# Allegro board CHIP_ALPHA_V_021.brd
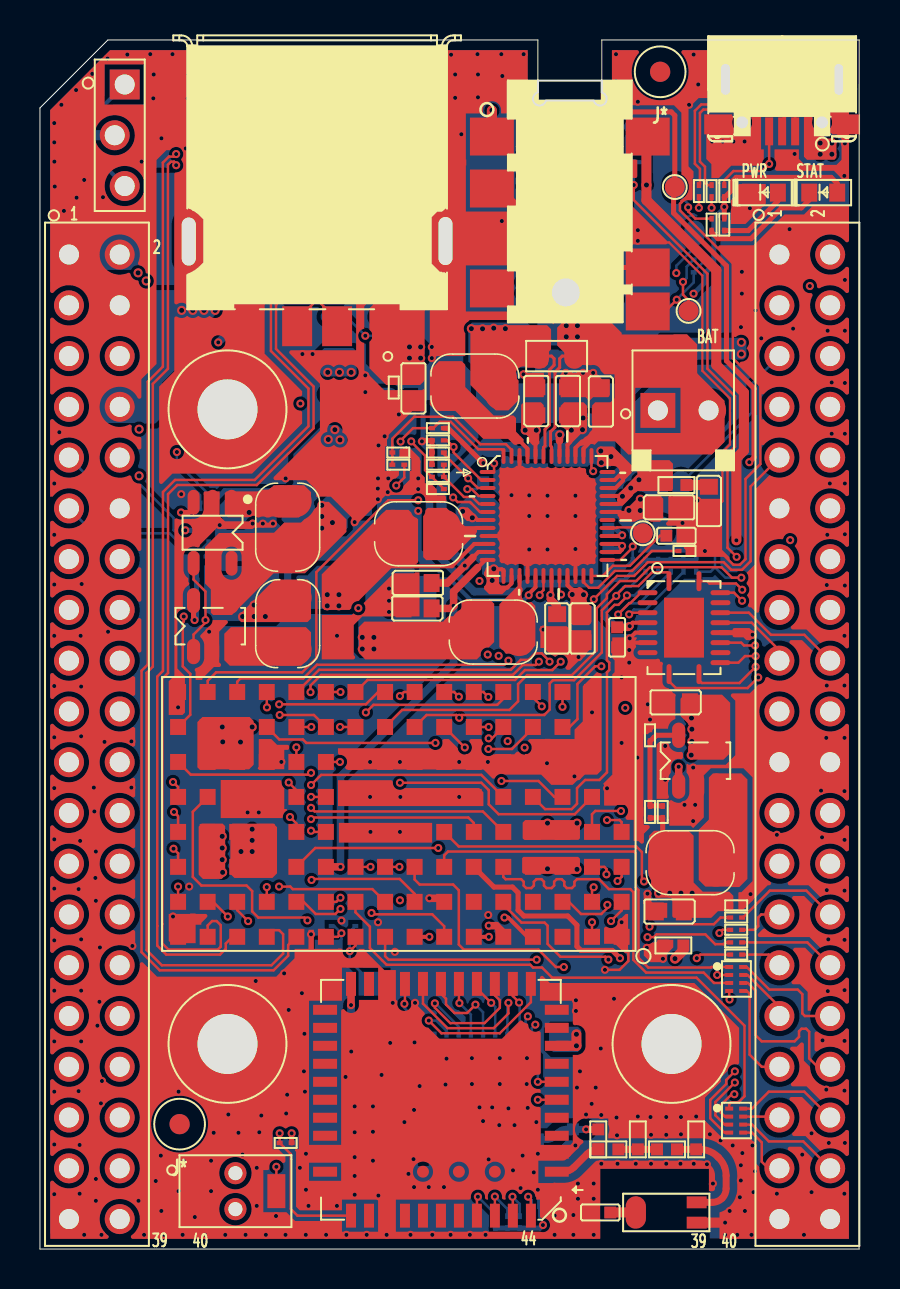
[diagram p0: board, top side]
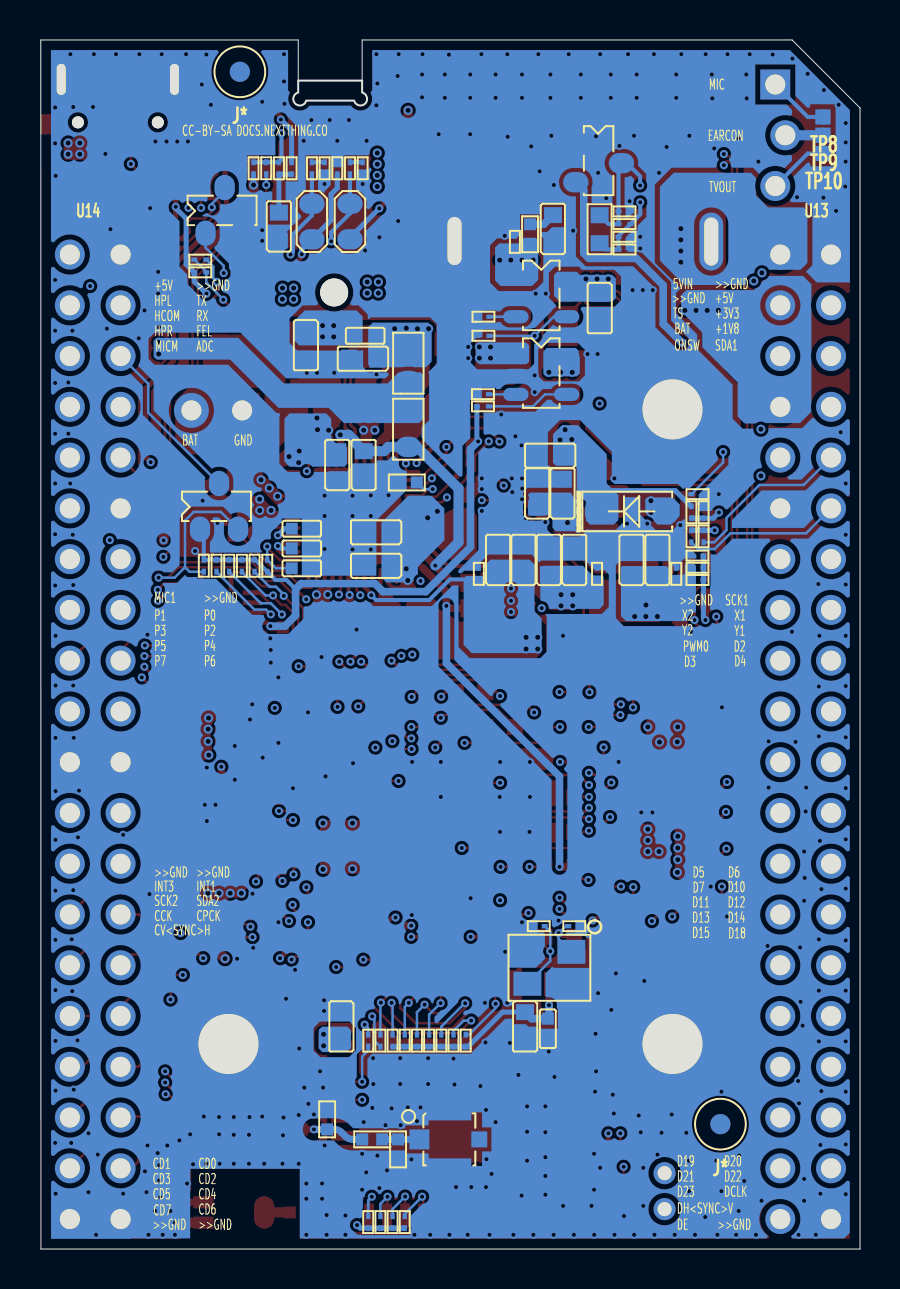
[diagram p1: board, bottom side, seen from below]

Outline 41.01 x 60.5 mm; copper layers: TOP, GND, IN1, IN2, VCC, BOTTOM. Coordinates in mm from the lower left corner of the outline.
Outline path: 0,57.09 3.4,60.5 24.92,60.5 24.92,58.46 28.12,58.46 28.12,60.5 41.01,60.5 41,0 0,0 0,57.09

## Design rules (mm)
net group CSI-D0: nets CSI-D0 CSID0
net group CSI-D1: nets CSI-D1 CSID1
net group CSI-D2: nets CSI-D2 CSID2
net group CSI-D3: nets CSI-D3 CSID3
net group CSI-D4: nets CSI-D4 CSID4
net group CSI-D5: nets CSI-D5 CSID5
net group CSI-D6: nets CSI-D6 CSID6
net group CSI-D7: nets CSI-D7 CSID7
net group CSI-HSYNC: nets CSI-HSYNC CSIHSYNC
net group CSI-MCLK: nets CSI-MCLK CSICK
net group CSI-PCLK: nets CSI-PCLK CSIPCK
net group CSI-VSYNC: nets CSI-VSYNC CSIVSYNC
net group DM0: nets DM0 N21782572
net group DP0: nets DP0 N21782578

## Placement (name value [footprint] x y rotation side)
ANT1  ANT  [WIFI-1206]  31.35 1.83 180 top
ANT2  NC-ANT  [WIFI-ANT-SD73412-011H1_3A]  20.56 5.49 270 bottom
C1  18pF-1%  [C0201]  14.3 16.15 0 bottom
C2  10uF  [CC0603]  16.84 34.47 90 bottom
C3  10uF  [CC0603]  10.14 34.47 90 bottom
C4  10uF  [CC0603]  14.3 34.47 90 bottom
C5  18pF-1%  [C0201]  16.08 16.15 180 bottom
C9  1uF  [CC0402]  24.77 45.69 0 bottom
C10  4.7uF  [CC0603]  24.85 42.42 90 top
C11  4.7uF  [CC0603]  24.87 44.55 0 bottom
C12  4.7uF  [CC0603]  27.74 45.24 270 bottom
C13  10uF  [CC0603]  26.17 39.22 90 bottom
C14  10uF  [CC0603]  15.57 34.47 90 bottom
C15  102  [C0201]  13.16 33.78 90 bottom
C16  10uF  [CC0603]  24.21 35.86 0 bottom
C17  10uF  [CC0603]  33.48 37.44 270 top
C18  10uF  [CC0603]  31.48 37.11 0 top
C19  10uF  [CC0603]  18.11 34.47 90 bottom
C20  102  [C0201]  19.08 33.78 90 bottom
C21  10uF  [CC0603]  24.21 34.19 0 bottom
C22  1uF  [CC0402]  27.94 36.04 0 bottom
C24  1uF  [CC0402]  27.94 35.05 180 bottom
C25  4.7uF  [CC0603]  18.9 32.05 180 top
C26  1uF  [CC0402]  31.86 35.69 180 top
C27  4.7uF  [CC0603]  28.07 42.42 270 top
C28  4.7uF  [CC0603]  24.85 39.22 90 bottom
C29  4.7uF  [CC0603]  27.16 31.06 270 top
C32  10uF  [CC0603]  26.43 42.42 90 top
C35  104  [C0201]  17.94 39.85 180 top
C37  1uF  [CC0402]  27.94 34.06 0 bottom
C45  10uF  [CC0603]  25.96 11.15 270 bottom
C47  NC  [R0402]  29.93 5.49 90 top
C48  NC  [R0402]  32.85 5.49 90 top
C49  1uF  [CC0402]  15.63 11.02 90 bottom
C50  4.7uF  [CC0603]  16.77 11.15 270 bottom
C51  8P  [C0402]  28.05 1.83 180 top
C52  NC  [R0402]  26.67 6.49 90 bottom
C53  22pF  [C0201]  11.79 51.28 0 bottom
C54  104  [C0201]  29.72 54.08 90 bottom
C55  271  [C0201]  11.79 50.01 0 bottom
C56  331  [C0201]  11.79 51.92 0 bottom
C57  10uF  [CC0603]  13.03 47.09 270 bottom
C58  104  [C0201]  17.28 50.39 270 bottom
C59  4.7uF  [CC0603]  15.37 51.03 90 bottom
C60  NC  [R0402]  23.12 4.99 270 bottom
C64  104  [C0201]  17.71 43.1 90 top
C65  4.7uF  [CC0603]  18.7 43.05 90 top
C66  4.7uF  [CC0603]  18.9 33.32 0 top
C67  47pF  [C0201]  8.14 33.48 180 bottom
C68  4.7uF  [CC0603]  14.89 37.8 90 bottom
C69  104  [C0201]  9.2 33.78 90 bottom
C70  4.7uF  [CC0603]  11.43 34.47 90 bottom
C71  4.7uF  [CC0603]  31.83 27.36 180 top
C72  104  [C0201]  34.85 17.2 0 top
C73  47pF  [C0201]  31.17 21.87 90 top
C74  4.7uF  [CC0603]  31.53 16.89 180 top
C75  10uF  [CC0603]  16.16 37.8 90 bottom
C76  4.7uF  [CC0603]  25.89 31.06 270 top
C77  10uF  [CC0603]  15.5 39.7 0 bottom
C78  22uF  [CC0805]  25.53 51.41 270 bottom
C79  22uF  [CC0805]  27.44 51.41 270 bottom
C145  1uF  [CC0402]  28.89 30.61 90 top
C148  104  [C0201]  26.8 54.08 270 bottom
C151  104  [C0201]  24.9 54.08 270 bottom
C152  104  [C0201]  19.92 38.02 0 top
C188  4.7u/6.3V  [CC0603]  29.09 51.16 90 bottom
C294  100pF  [C0201]  30.36 54.08 270 bottom
D1  PWR  [D0603]  36.23 52.86 180 top
D2  STAT  [D0603]  39.21 52.86 180 top
D16  1N5819  [SOD123H14A]  11.43 36.91 0 bottom
D18  BAT54S  [SOT-23]  13.09 54.33 180 bottom
J1  BATTARY  [CON2-PT2_54H7_1A]  32.2 41.96 0 top
J2  TVOUT&MIC  [CON3-PT2_54-2_5X7_57H16_3A-3805]  3.99 55.73 270 top
J4  USB-MINI-SOCKET  [USB-MIC-A01SB141BH2_4A]  37.15 60.67 0 top
J5  USB-MINI-SOCKET  [USB_AF-011Z_45H5_2A]  13.87 60.17 0 top
J11  HXQKPJ-342H  [PJ-033SMTH4A]  26.52 58.46 270 top
J*  -  [unnamed#2]  6.99 6.25 0 top
J*#2  -  [unnamed#2]  31.04 58.9 0 top
J*#3  -  [unnamed#2]  31.04 58.9 180 bottom
J*#4  -  [unnamed#2]  6.99 6.25 180 bottom
L2  2.2uH-DCR<0.1R-1.5A/ELL4LG2R2NA  [L3518]  21.77 43.18 180 top
L3  2.2uH-DCR<0.1R-1.5A/ELL4LG2R2NA  [L3518]  18.95 35.79 0 top
L4  2.2uH-DCR<0.1R-1.5A/ELL4LG2R2NA  [L3518]  22.69 30.87 0 top
L5  2.2uH-DCR<0.1R-1.5A/ELL4LG2R2NA  [L3518]  12.4 31.29 270 top
L6  2.2uH-DCR<0.1R-1.5A/ELL4LG2R2NA  [L3518]  32.54 19.33 0 top
L8  2.2uH-DCR<0.1R-1.5A/ELL4LG2R2NA  [L3518]  12.4 36.12 90 top
L9  1.8uH  [L0603]  13.03 51.03 90 bottom
NOREF  -  []  0.87 0 0 top
NOREF#2  -  []  0.23 0.63 90 top
OR4  6K8-1%  [C0201]  18.88 42.77 180 bottom
Q4  MMBT3904  [SOT-23]  31.81 51.97 90 bottom
Q11  BSN20  [SOT-23]  32.08 37.16 90 bottom
R1  2K2  [C0201]  30.94 34.19 270 bottom
R2  2K2  [C0201]  7.83 35.66 270 bottom
R3  2K2  [C0201]  8.44 35.66 270 bottom
R4  2K2  [C0201]  19.92 40.46 0 top
R6  2K2  [C0201]  31.58 34.19 270 bottom
R7  0R03  [R0805]  25.86 44.68 180 top
R8  20K  [C0201]  34.25 51.26 90 top
R9  1R  [R0402]  31.86 38.23 180 top
R10  10K  [C0201]  19.92 39.24 180 top
R11  10K  [C0201]  19.92 39.85 180 top
R12  0R  [C0201]  8.14 37.77 0 bottom
R13  200K-1%  [C0201]  32.26 34.92 180 top
R14  100K-1%  [C0201]  30.54 25.7 270 top
R15  150K-1%  [C0201]  30.54 21.87 270 top
R16  47K  [C0201]  19.92 41.07 0 top
R17  47K  [C0201]  29.67 34.19 270 bottom
R18  2K2  [C0201]  32.21 34.19 270 bottom
R19  0R  [R0402]  31.7 15.19 180 top
R20  2K  [R0402]  22.69 38.35 0 bottom
R39  0R  [C0201]  34.85 15.34 0 top
R40  0R  [C0201]  34.85 14.73 0 top
R41  0R  [C0201]  34.85 15.97 0 top
R43  0R  [C0201]  34.85 16.59 180 top
R45  0R  [R0402]  31.39 4.99 180 top
R46  0R  [R0402]  28.45 4.99 180 top
R47  NC-0R  [R0402]  27.94 5.49 270 top
R48  33K  [C0201]  19.74 10.43 90 bottom
R49  33K  [C0201]  23.4 10.43 90 bottom
R50  NC  [C0201]  22.18 10.43 90 bottom
R51  33K  [C0201]  21.57 10.43 90 bottom
R52  33K  [C0201]  22.79 10.43 90 bottom
R53  33K  [C0201]  20.96 10.43 90 bottom
R54  200K-1%  [C0201]  8.44 36.87 90 bottom
R55  10K  [C0201]  23.4 1.35 90 bottom
R56  10K  [C0201]  24.01 1.35 90 bottom
R57  27K-1%  [C0201]  7.83 36.87 270 bottom
R58  NC-10K  [C0201]  22.79 1.35 90 bottom
R59  NC-10K  [C0201]  24.62 1.35 90 bottom
R60  75R  [C0201]  11.79 50.65 180 bottom
R61  NC-0R  [R0402]  24.42 5.49 180 bottom
R62  NC/0R  [C0201]  24.01 10.43 270 bottom
R63  NC/0R  [C0201]  24.62 10.43 90 bottom
R65  100K  [C0201]  12.3 5.31 0 top
R66  100K  [C0201]  20.35 10.43 270 bottom
R70  10K  [C0201]  34.25 52.93 270 top
R74  510K  [C0201]  18.85 45.69 180 bottom
R75  6K8-1%  [C0201]  18.85 46.65 180 bottom
R78  100K-1%  [C0201]  8.14 34.7 180 bottom
R79  442K-1%  [C0201]  8.14 34.09 0 bottom
R80  NC/0R  [R0805]  22.61 44.32 90 bottom
R81  0R  [R0805]  22.61 41.02 270 bottom
R82  1R  [R0402]  16.51 50.77 270 bottom
R83  1K  [C0201]  17.94 39.24 0 top
R84  0R  [C0201]  32.98 52.93 270 top
R85  0R  [C0201]  33.62 52.93 270 top
R86  1K  [C0201]  18.88 42.16 0 bottom
R87  10k  [C0201]  30.31 34.19 90 bottom
R88  1M  [C0201]  33.02 48.87 0 bottom
R100  24R  [C0201]  25.53 54.08 90 bottom
R101  24R  [C0201]  27.44 54.08 90 bottom
R102  1K  [C0201]  33.62 51.26 90 top
R103  2K2  [C0201]  19.92 38.63 0 top
R105  100K  [C0201]  26.17 54.08 90 bottom
R113  1K  [C0201]  28.45 54.08 90 bottom
R192  1.5K  [C0201]  29.09 54.08 90 bottom
R206  10K  [C0201]  32.85 34.19 270 bottom
R414  0R  [C0201]  33.02 49.5 0 bottom
RN1  0R*4  [RN0201]  34.85 13.51 90 top
RN2  0R*4  [RN0201]  34.85 6.43 90 top
SW1  KEY-2PIN_0  [SW_4P_TC3061B]  9.78 2.9 0 top
TP2  DC3-SET  [TP40_SMD]  30.18 35.81 0 top
TP3  LS  [PAD5_5D3]  9.39 42.01 0 top
TP4  VMIC  [TP40_SMD]  31.78 53.14 0 top
TP5  LS  [PAD5_5D3]  31.61 10.26 0 top
TP6  LS  [PAD5_5D3]  9.39 10.26 0 top
TP7  PMU-GPOI1  [TP40_SMD]  32.47 46.94 0 top
TP8  TEST  [TP30_SMD]  1.86 56.64 180 bottom
TP9  TEST  [TP30_SMD]  1.86 55.73 180 bottom
TP10  TEST  [TP30_SMD]  1.86 54.81 180 bottom
U1  R8M  [R8M_LGA128_SSQ0_8]  17.96 21.77 180 top
U3  AXP209  [QFN49_0_4H0_8A]  25.4 36.68 0 top
U4  LP3220SAB5F/SY8088  [SOT23_5H14A]  32.92 24.43 90 top
U9  8723BS  [QFN44-AP6476-12X12H1_6A]  20.07 7.47 180 top
U10  LPW5210B5F  [SOT23_5H14A]  15.96 47.6 180 bottom
U11  LP6226/SY7208  [SOT23-6]  8.64 35.84 180 top
U12  LP3220SAB5F\SY8088  [SOT23_5H14A]  8.64 31.17 90 top
U13  LCD_CN  [CON2X20-PT2_54-5_2X31_2H2A]  2.72 25.63 0 top
U14  IO_CN  [CON2X20-PT2_54-5_2X31_2H2A]  38.28 25.63 0 top
U15  LPW5210B5F  [SOT23_5H14A]  15.96 43.71 180 bottom
U27  PCF8574ARGYR  [QFN20-PT0_5-3_65X4_65H1A]  32.24 31.09 270 top
X1  24M-20pF-10PPM  [CRYSTAL-4P-3225-H1A]  15.55 14.07 180 bottom

## Library data of the parts
ANT1 = WIFI-1206: Tolerance: TOLERANCE; User Part Number: PRAT NUMBER
ANT2 = WIFI-ANT-SD73412-011H1_3A: Tolerance: TOLERANCE; User Part Number: PRAT NUMBER
C1 C5 C15 C20 C35 C53-C56 C58 C64 C67 C69 C72 C73 C148 C151 C294 OR4 R1-R4 R6 R8 R10-R18 R48-R60 R62 R63 R65 R66 R70 R74 R75 R78 R79 R83 R86-R88 R100 R101 R105 R113 R192 R206 R414 = C0201: User Part Number: PRAT NUMBER; Tolerance: TOLERANCE
C2-C4 C10-C14 C16-C19 C21 C25 C27-C29 C32 C45 C50 C57 C59 C65 C66 C68 C70 C71 C74-C77 C188 = CC0603: User Part Number: PRAT NUMBER; Tolerance: TOLERANCE
C9 C22 C24 C26 C37 C49 C145 = CC0402: User Part Number: PRAT NUMBER; Tolerance: TOLERANCE
C47 C48 C52 C60 R9 R19 R20 R45-R47 R61 R82 = R0402: Tolerance: TOLERANCE; User Part Number: PRAT NUMBER
C51 = C0402: Tolerance: TOLERANCE; User Part Number: PRAT NUMBER
C78 C79 = CC0805: Tolerance: Toleance; User Part Number: Part number
C152 R102 R103 = C0201: User Part Number: PRAT NUMBER; Tolerance: TOLERANCE; room: MODEM
D1 = D0603: Tolerance: TOLERANCE; User Part Number: PRAT NUMBER
D2 = D0603: Tolerance: TOLERANCE; User Part Number: PRAT NUMBER; room: MODEM
D16 = SOD123H14A: Tolerance: TOLERANCE; User Part Number: PRAT NUMBER
D18 Q11 = SOT-23: Tolerance: TOLERANCE; User Part Number: PRAT NUMBER
J1 = CON2-PT2_54H7_1A: Tolerance: TOLERANCE; User Part Number: PRAT NUMBER
J2 = CON3-PT2_54-2_5X7_57H16_3A-3805: Tolerance: TOLERANCE; User Part Number: PRAT NUMBER
J4 = USB-MIC-A01SB141BH2_4A: Tolerance: TOLERANCE; User Part Number: PRAT NUMBER
J5 = USB_AF-011Z_45H5_2A: Tolerance: TOLERANCE; User Part Number: PRAT NUMBER
J11 = PJ-033SMTH4A: Tolerance: TOLERANCE; User Part Number: PRAT NUMBER
J* J*#3 = -: User Part Number: PRAT NUMBER; Tolerance: TOLERANCE
J*#2 J*#4 = -: Tolerance: TOLERANCE; User Part Number: PRAT NUMBER
L2-L6 L8 = L3518: User Part Number: PRAT NUMBER; Tolerance: TOLERANCE
L9 = L0603: User Part Number: PRAT NUMBER; Tolerance: TOLERANCE
Q4 = SOT-23: Tolerance: TOLERANCE; User Part Number: PRAT NUMBER; room: MODEM
R7 R80 R81 = R0805: User Part Number: PRAT NUMBER; Tolerance: TOLERANCE
R39-R41 R43 R84 R85 = C0201: User Part Number: PRAT NUMBER; Tolerance: TOLERANCE; signal model: R0402_0R
RN1 RN2 = RN0201: Tolerance: TOLERANCE; User Part Number: PRAT NUMBER; signal model: RN0402_0R*4
SW1 = SW_4P_TC3061B: Tolerance: Toleance; User Part Number: Part number
TP2 TP4 TP7 = TP40_SMD: Tolerance: TOLERANCE; User Part Number: PRAT NUMBER
TP3 TP5 TP6 = PAD5_5D3: Tolerance: TOLERANCE; User Part Number: PRAT NUMBER
TP8-TP10 = TP30_SMD: Tolerance: TOLERANCE; User Part Number: PRAT NUMBER
U1 = R8M_LGA128_SSQ0_8: User Part Number: PRAT NUMBER; Tolerance: TOLERANCE
U3 = QFN49_0_4H0_8A: Tolerance: TOLERANCE; User Part Number: PRAT NUMBER
U4 U10 U12 U15 = SOT23_5H14A: Tolerance: TOLERANCE; User Part Number: PRAT NUMBER
U9 = QFN44-AP6476-12X12H1_6A: User Part Number: Part number; Tolerance: Toleance
U11 = SOT23-6: Tolerance: TOLERANCE; User Part Number: PRAT NUMBER
U13 U14 = CON2X20-PT2_54-5_2X31_2H2A: User Part Number: PRAT NUMBER; Tolerance: TOLERANCE
U27 = QFN20-PT0_5-3_65X4_65H1A: User Part Number: PRAT NUMBER; Tolerance: TOLERANCE
X1 = CRYSTAL-4P-3225-H1A: Tolerance: TOLERANCE; User Part Number: PRAT NUMBER

## Footprints (pads in the part's own frame, mm; a bottom-side part is the same pattern mirrored in y, then rotated)
C0201
  rect 0.3x0.22 smd: 1(-0.3,0) 2(0.3,0)
C0402
  rect 0.599x0.599 smd: 1(-0.5,0) 2(0.5,0)
CC0402
  rect 0.599x0.599 smd: 1(-0.5,0) 2(0.5,0)
CC0603
  rect 0.8x0.899 smd: 1(-0.701,0) 2(0.701,0)
CC0805
  oval 1.016x1.27 smd: 1(-0.889,0) 2(0.889,0)
CON2-PT2_54H7_1A
  rect 1.75x1.75 hole 1: 1(-1.27,0)
  round 1.75 hole 1: 2(1.27,0)
CON2X20-PT2_54-5_2X31_2H2A
  rect 1.5x1.5 hole 1: 1(-1.27,24.13)
  round 1.5 hole 1: 2(1.27,24.13) 3(-1.27,21.59) 4(1.27,21.59) 5(-1.27,19.05) 6(1.27,19.05) 7(-1.27,16.51) 8(1.27,16.51) 9(-1.27,13.97) 10(1.27,13.97) 11(-1.27,11.43) 12(1.27,11.43) 13(-1.27,8.89) 14(1.27,8.89) 15(-1.27,6.35) 16(1.27,6.35) 17(-1.27,3.81) 18(1.27,3.81) 19(-1.27,1.27) 20(1.27,1.27) 21(-1.27,-1.27) 22(1.27,-1.27) 23(-1.27,-3.81) 24(1.27,-3.81) 25(-1.27,-6.35) 26(1.27,-6.35) 27(-1.27,-8.89) 28(1.27,-8.89) 29(-1.27,-11.43) 30(1.27,-11.43) 31(-1.27,-13.97) 32(1.27,-13.97) 33(-1.27,-16.51) 34(1.27,-16.51) 35(-1.27,-19.05) 36(1.27,-19.05) 37(-1.27,-21.59) 38(1.27,-21.59) 39(-1.27,-24.13) 40(1.27,-24.13)
CON3-PT2_54-2_5X7_57H16_3A-3805
  rect 1.5x1.5 hole 1: 1(-2.54,0.25)
  round 1.5 hole 1: 2(0,-0.25) 3(2.54,0.25)
CRYSTAL-4P-3225-H1A
  rect 1.4x1.199 smd: 1(1.1,0.8) 2(-1.1,0.8) 3(-1.1,-0.8) 4(1.1,-0.8)
D0603
  rect 0.8x0.899 smd: 1(-0.7,0) 2(0.7,0)
L0603
  rect 0.8x0.899 smd: 1(-0.7,0) 2(0.7,0)
L3518
  oval 1.6x2.4 smd: 1(-1.3,0) 2(1.3,0)
PAD5_5D3
  round 5.5 hole 3: 1(0,0)
PJ-033SMTH4A
  round 1.4 hole 1.4 unplated: (10.6,-0.2)
  rect 1.9x2.2 smd: 1(2.8,-3.9) 2(5.4,-3.9) 3(10.4,-3.9) 4(9.35,3.9) 5(2.8,3.9) 6(11.55,3.9)
QFN20-PT0_5-3_65X4_65H1A
  oval 1.001x0.249 smd: 1(-2.324,-0.749) 10(2.324,-0.749) 11(2.324,0.749) 20(-2.324,0.749)
  oval 0.249x1.001 smd: 2(-1.75,-1.826) 3(-1.25,-1.826) 4(-0.749,-1.826) 5(-0.249,-1.826) 6(0.249,-1.826) 7(0.749,-1.826) 8(1.25,-1.826) 9(1.75,-1.826) 12(1.75,1.826) 13(1.25,1.826) 14(0.749,1.826) 15(0.249,1.826) 16(-0.249,1.826) 17(-0.749,1.826) 18(-1.25,1.826) 19(-1.75,1.826)
  rect 3x1.999 smd: 21(0,0)
QFN44-AP6476-12X12H1_6A
  rect 1.199x0.5 smd: 1(-5.799,4.501) 2(-5.799,3.599) 3(-5.799,2.7) 4(-5.799,1.801) 5(-5.799,0.899) 6(-5.799,0) 7(-5.799,-0.899) 8(-5.799,-1.801) 9(-5.799,-2.7) 10(-5.799,-3.599) 11(-5.799,-4.501) 23(5.799,-4.501) 24(5.799,-3.599) 25(5.799,-2.7) 26(5.799,-1.801) 27(5.799,-0.899) 28(5.799,0) 29(5.799,0.899) 30(5.799,1.801) 31(5.799,2.7) 32(5.799,3.599) 33(5.799,4.501)
  rect 0.5x1.199 smd: 12(-4.501,-5.799) 13(-3.599,-5.799) 14(-2.7,-5.799) 15(-1.801,-5.799) 16(-0.899,-5.799) 17(0,-5.799) 18(0.899,-5.799) 19(1.801,-5.799) 20(2.7,-5.799) 21(3.599,-5.799) 22(4.501,-5.799) 34(4.501,5.799) 35(3.599,5.799) 36(2.7,5.799) 37(1.801,5.799) 38(0.899,5.799) 39(0,5.799) 40(-0.899,5.799) 41(-1.801,5.799) 42(-2.7,5.799) 43(-3.599,5.799) 44(-4.501,5.799)
  round 0.599 smd: 45(-2.7,3.599) 46(-0.899,3.599) 47(0.899,3.599)
QFN49_0_4H0_8A
  oval 0.8x0.201 smd: 1(-3,2.2) 2(-3,1.801) 3(-3,1.4) 4(-3,1.001) 5(-3,0.599) 6(-3,0.201) 7(-3,-0.201) 8(-3,-0.599) 9(-3,-1.001) 10(-3,-1.4) 11(-3,-1.801) 12(-3,-2.2) 25(3,-2.2) 26(3,-1.801) 27(3,-1.4) 28(3,-1.001) 29(3,-0.599) 30(3,-0.201) 31(3,0.201) 32(3,0.599) 33(3,1.001) 34(3,1.4) 35(3,1.801) 36(3,2.2)
  oval 0.201x0.8 smd: 13(-2.2,-3) 14(-1.801,-3) 15(-1.4,-3) 16(-1.001,-3) 17(-0.599,-3) 18(-0.201,-3) 19(0.201,-3) 20(0.599,-3) 21(1.001,-3) 22(1.4,-3) 23(1.801,-3) 24(2.2,-3) 37(2.2,3) 38(1.801,3) 39(1.4,3) 40(1.001,3) 41(0.599,3) 42(0.201,3) 43(-0.201,3) 44(-0.599,3) 45(-1.001,3) 46(-1.4,3) 47(-1.801,3) 48(-2.2,3)
  custom 4.1x4.1 smd: 49(0,0)
R8M_LGA128_SSQ0_8
  rect 0.8x0.8 smd: A1(-11.149,6.149) A2(-9.668,6.149) A3(-8.19,6.149) A4(-6.709,6.149) A5(-5.228,6.149) A6(-3.75,6.149) A7(-2.269,6.149) A8(-0.788,6.149) A9(0.69,6.149) A10(2.171,6.149) A11(3.652,6.149) A12(5.13,6.149) A13(6.611,6.149) A14(8.091,6.149) A15(9.57,6.149) A16(11.051,6.149) B1(-11.149,4.399) B2(-9.668,4.399) B3(-8.19,4.399) B4(-6.709,4.399) B5(-5.228,4.399) B6(-3.75,4.399) B7(-2.269,4.399) B8(-0.788,4.399) B9(0.69,4.399) B10(2.171,4.399) B11(3.652,4.399) B12(5.13,4.399) B13(6.611,4.399) B14(8.091,4.399) B15(9.57,4.399) B16(11.051,4.399) C1(-11.149,2.649) C2(-9.668,2.649) C3(-8.19,2.649) C4(-6.709,2.649) C5(-5.228,2.649) C6(-3.75,2.649) C7(-2.269,2.649) C8(-0.788,2.649) C9(0.69,2.649) C10(2.171,2.649) C11(3.652,2.649) C12(5.13,2.649) C13(6.611,2.649) C14(8.091,2.649) C15(9.57,2.649) C16(11.051,2.649) D1(-11.149,0.899) D2(-9.668,0.899) D3(-8.19,0.899) D4(-6.709,0.899) D5(-5.228,0.899) D6(-3.75,0.899) D7(-2.269,0.899) D8(-0.788,0.899) D9(0.69,0.899) D10(2.171,0.899) D11(3.652,0.899) D12(5.13,0.899) D13(6.611,0.899) D14(8.091,0.899) D15(9.57,0.899) D16(11.051,0.899) E1(-11.149,-0.851) E2(-9.668,-0.851) E3(-8.19,-0.851) E4(-6.709,-0.851) E5(-5.228,-0.851) E6(-3.75,-0.851) E7(-2.269,-0.851) E8(-0.788,-0.851) E9(0.69,-0.851) E10(2.171,-0.851) E11(3.652,-0.851) E12(5.13,-0.851) E13(6.611,-0.851) E14(8.091,-0.851) E15(9.57,-0.851) E16(11.051,-0.851) F1(-11.149,-2.601) F2(-9.668,-2.601) F3(-8.19,-2.601) F4(-6.709,-2.601) F5(-5.228,-2.601) F6(-3.75,-2.601) F7(-2.269,-2.601) F8(-0.788,-2.601) F9(0.69,-2.601) F10(2.171,-2.601) F11(3.652,-2.601) F12(5.13,-2.601) F13(6.611,-2.601) F14(8.091,-2.601) F15(9.57,-2.601) F16(11.051,-2.601) G1(-11.149,-4.351) G2(-9.668,-4.351) G3(-8.19,-4.351) G4(-6.709,-4.351) G5(-5.228,-4.351) G6(-3.75,-4.351) G7(-2.269,-4.351) G8(-0.788,-4.351) G9(0.69,-4.351) G10(2.171,-4.351) G11(3.652,-4.351) G12(5.13,-4.351) G13(6.611,-4.351) G14(8.091,-4.351) G15(9.57,-4.351) G16(11.051,-4.351) H1(-11.149,-6.101) H2(-9.668,-6.101) H3(-8.19,-6.101) H4(-6.709,-6.101) H5(-5.228,-6.101) H6(-3.75,-6.101) H7(-2.269,-6.101) H8(-0.788,-6.101) H9(0.69,-6.101) H10(2.171,-6.101) H11(3.652,-6.101) H12(5.13,-6.101) H13(6.611,-6.101) H14(8.091,-6.101) H15(9.57,-6.101) H16(11.051,-6.101)
R0402
  rect 0.599x0.599 smd: 1(-0.5,0) 2(0.5,0)
R0805
  oval 1.016x1.27 smd: 1(-0.889,0) 2(0.889,0)
RN0201
  rect 0.2x0.4 smd: 1(0.6,0.35) 2(0.2,0.35) 3(-0.2,0.35) 4(-0.6,0.35) 5(-0.6,-0.35) 6(-0.2,-0.35) 7(0.2,-0.35) 8(0.6,-0.35)
SOD123H14A
  oval 1.016x1.27 smd: 1(-1.829,0) 2(1.829,0)
SOT23-6
  oval 0.599x1.25 smd: 1(-0.95,-1.524) 2(0,-1.524) 3(0.95,-1.524) 4(0.95,1.524) 5(0,1.524) 6(-0.95,1.524)
SOT23_5H14A
  oval 1.27x0.66 smd: 1(-1.27,0.953) 2(-1.27,0) 3(-1.27,-0.953) 4(1.27,-0.953) 5(1.27,0.953)
SOT-23
  oval 1.27x1.016 smd: 1(-1.143,0.953) 2(-1.143,-0.953) 3(1.143,0)
SW_4P_TC3061B
  rect 0.9x1.8 smd: 1(-2.05,0)
  rect 0.9x1.7 smd: 2(2.05,0)
  round 1.11 hole 0.701: 3(0,0.9) 4(0,-0.9)
TP30_SMD
  round 0.762 smd: 1(0,0)
TP40_SMD
  round 1.001 smd: 1(0,0)
unnamed#2
  round 1.016 smd: 1(0,0)
USB-MIC-A01SB141BH2_4A
  round 0.6 hole 0.6 unplated: (-2,-4.3) (2,-4.3)
  rect 0.4x1.4 smd: 1(1.3,-4.75) 2(0.65,-4.75) 3(0,-4.75) 4(-0.65,-4.75) 5(-1.3,-4.75)
  oval 0.95x2.1 hole 0.45x1.55: 8(-2.835,-2.15) 9(2.835,-2.15)
  rect 1.4x1 smd: 10(-3.2,-4.4) 11(3.2,-4.4)
  rect 1.9x1.9 smd: 12(-1.2,-2.15) 13(1.2,-2.15)
USB_AF-011Z_45H5_2A
  rect 1.5x2 smd: 1(3.5,-14) 2(1,-14) 3(-1,-14) 4(-3.5,-14)
  oval 1.2x2.9 hole 0.7x2.4: 5(-6.425,-9.763) 6(6.425,-9.737)
WIFI-1206
  rect 1x0.6 smd: 1(-1.524,0.508) 2(-1.524,-0.508)
  oval 1.016x1.626 smd: 3(1.524,0)
WIFI-ANT-SD73412-011H1_3A
  rect 1x1 smd: 1(0,-1.5)
  rect 0.8x0.8 smd: 2(0,1.5)
  rect 1.05x2.2 smd: 3(1.475,0) 4(-1.475,0)

## Nets
AVCC: C25.1 U1.C11 U3.12 U4.1
GND: ANT1.1 ANT2.3 ANT2.4 C1.1 C2.2 C3.2 C4.2 C5.1 C10.2 C11.2 C12.2 C13.1 C14.2 C15.2 C16.2 C17.2 C18.2 C19.2 C20.2 C21.2 C22.1 C24.2 C25.2 C26.1 C27.1 C28.1 C29.2 C32.2 C35.1 C37.1 C45.1 C47.2 C48.2 C49.1 C50.2 C51.2 C52.2 C55.1 C56.1 C57.2 C58.1 C59.1 C60.2 C64.1 C65.1 C66.1 C68.2 C69.2 C70.2 C71.2 C72.2 C74.2 C75.2 C76.2 C77.2 C145.1 C148.2 C151.2 C152.1 C188.1 D1.2 D18.1 J1.1 J4.5 J4.8 J4.9 J4.10 J4.11 J4.12 J4.13 J5.4 J5.5 J5.6 OR4.1 Q4.2 R12.1 R13.1 R14.1 R19.2 R20.2 R57.1 R60.2 R74.1 R75.1 R78.1 R105.2 SW1.1 TP3.1 TP5.1 TP6.1 U1.A1 U1.A16 U1.B7 U1.D8 U1.D9 U1.D10 U1.E1 U1.E6 U1.E7 U1.E8 U1.E9 U1.E10 U1.E13 U1.E14 U1.F1 U1.F2 U1.F3 U1.F4 U1.F5 U1.F6 U1.F7 U1.F8 U1.F9 U1.F10 U1.F13 U1.G1 U1.G2 U1.H1 U1.H2 U1.H16 U3.9 U3.16 U3.22 U3.46 U3.49 U4.2 U9.1 U9.3 U9.20 U9.31 U9.33 U9.36 U10.2 U11.2 U12.2 U13.1 U13.4 U13.12 U13.39 U14.1 U14.11 U14.21 U14.22 U14.39 U14.40 U15.2 U27.6 U27.7 U27.9 U27.15 X1.2 X1.4
VBAT-EXT: C9.1 C11.1 L2.1 R7.2 R80.2 U3.43
VCC-1V8: C76.1 U3.19 U13.7
VCC-3V3: C3.1 C49.2 C50.1 C67.1 C69.1 C70.1 C145.2 D2.1 D18.2 L5.1 Q11.1 R1.1 R2.1 R3.1 R4.1 R6.1 R8.2 R10.2 R11.2 R17.2 R18.1 R48.1 R49.1 R50.1 R51.1 R52.1 R53.1 R55.1 R56.1 R58.1 R59.1 R65.2 R66.2 R70.2 R79.2 R86.2 R87.2 R88.2 R206.1 U1.C15 U1.D15 U9.22 U13.5 U27.5
VCC-5V: C57.1 C77.1 D16.2 R54.2 U10.5 U13.3 U14.2 U15.5
VCC-WIFI: C45.2 R80.1 R81.1 U9.9
VINT: C24.1 U3.26 U3.27
ACIN-5V: R9.2 U3.32 U3.33 U13.2
AP-EINT1: U1.H14 U14.23
AP-EINT2: R63.2 R87.1 U1.G8 U27.1
AP-EINT3: R62.2 U1.F16 U14.24
AP-UART1-CTS: R58.2 U1.G5 U9.41
AP-UART1-RTS: R59.2 U1.G6 U9.44
AP-UART1-RX: R55.2 U1.G7 U9.42
AP-UART1-TX: R56.2 U1.G4 U9.43
AP-WAKE-BT: R11.1 U3.3 U9.6
BAT: C9.2 C12.1 C27.2 J1.2 R7.1 U3.38 U3.39 U3.42 U13.8
BT-RST-N: R65.1 U1.F11 U9.34
COREVDD: C2.1 C19.1 C20.1 L4.1 U1.C13 U1.C14 U1.D13 U1.D14 U3.17
CPUVDD: C4.1 C14.1 C15.1 L3.1 U1.F14 U1.F15 U1.G14 U1.G15 U3.10
CSI-D0: RN1.2 U1.C2
CSI-D1: RN1.1 U1.C7
CSI-D2: RN1.4 U1.D1
CSI-D3: RN1.3 U1.C5
CSI-D4: RN2.2 U1.H7
CSI-D5: RN2.1 U1.B10
CSI-D6: RN2.4 U1.D2
CSI-D7: RN2.3 U1.D7
CSI-HSYNC: R40.1 U1.H6
CSI-MCLK: R43.2 U1.C8
CSI-PCLK: R41.1 U1.H3
CSI-VSYNC: R39.1 U1.A9
CSICK: R43.1 U14.28
CSID0: RN1.7 U14.31
CSID1: RN1.8 U14.32
CSID2: RN1.5 U14.33
CSID3: RN1.6 U14.34
CSID4: RN2.7 U14.35
CSID5: RN2.8 U14.36
CSID6: RN2.5 U14.37
CSID7: RN2.6 U14.38
CSIHSYNC: R40.2 U14.29
CSIPCK: R41.2 U14.27
CSIVSYNC: R39.2 U14.30
DM0: R84.2 U1.A12
DM1: J5.2 U1.A14
DP0: R85.2 U1.A13
DP1: J5.3 U1.A15
DRAM-VCC: C72.1 C73.1 C74.1 L6.1 R15.2 U1.C3 U1.C4 U1.D3 U1.D4
EARCON: J2.2 J11.1 TP9.1
EARMIC: C54.2 C294.1 J2.1 R192.2 TP8.1
EXTEN: U3.20 U11.4 U12.1
HPCOM: U1.A5 U14.6
HPL: C79.1 R101.1 U1.A4 U14.4
HPR: C78.1 R100.1 U1.A6 U14.8
IPSOUT: C10.1 C13.2 C16.1 C21.1 C29.1 C32.1 C68.1 C71.1 C75.1 L8.1 U3.7 U3.13 U3.14 U3.21 U3.34 U3.35 U3.40 U3.44 U4.4 U11.5 U12.4
LCD-CLK: U1.B9 U13.35
LCD-D2: U1.F12 U13.17
LCD-D3: U1.D16 U13.20
LCD-D4: U1.G11 U13.19
LCD-D5: U1.E16 U13.22
LCD-D6: U1.H9 U13.21
LCD-D7: U1.H13 U13.24
LCD-D10: U1.C16 U13.23
LCD-D11: U1.G10 U13.26
LCD-D12: U1.E12 U13.25
LCD-D13: U1.H5 U13.28
LCD-D14: U1.B16 U13.27
LCD-D15: U1.E5 U13.30
LCD-D18: U1.E11 U13.29
LCD-D19: U1.D6 U13.32
LCD-D20: U1.D12 U13.31
LCD-D21: U1.B15 U13.34
LCD-D22: U1.D11 U13.33
LCD-D23: U1.B14 U13.36
LCD-DE: U1.H8 U13.40
LCD-HSYNC: U1.B8 U13.38
LCD-VSYNC: U1.D5 U13.37
LDO3: C28.2 C66.2 R81.2 U3.11 U3.41
LED-STATUS: R10.1 R103.2 U3.5
LRADC: U1.B13 U14.9
MICIN1: C54.1 U1.B5 U14.12